# KiCad board OPS-K3572.kicad_pcb (continued)
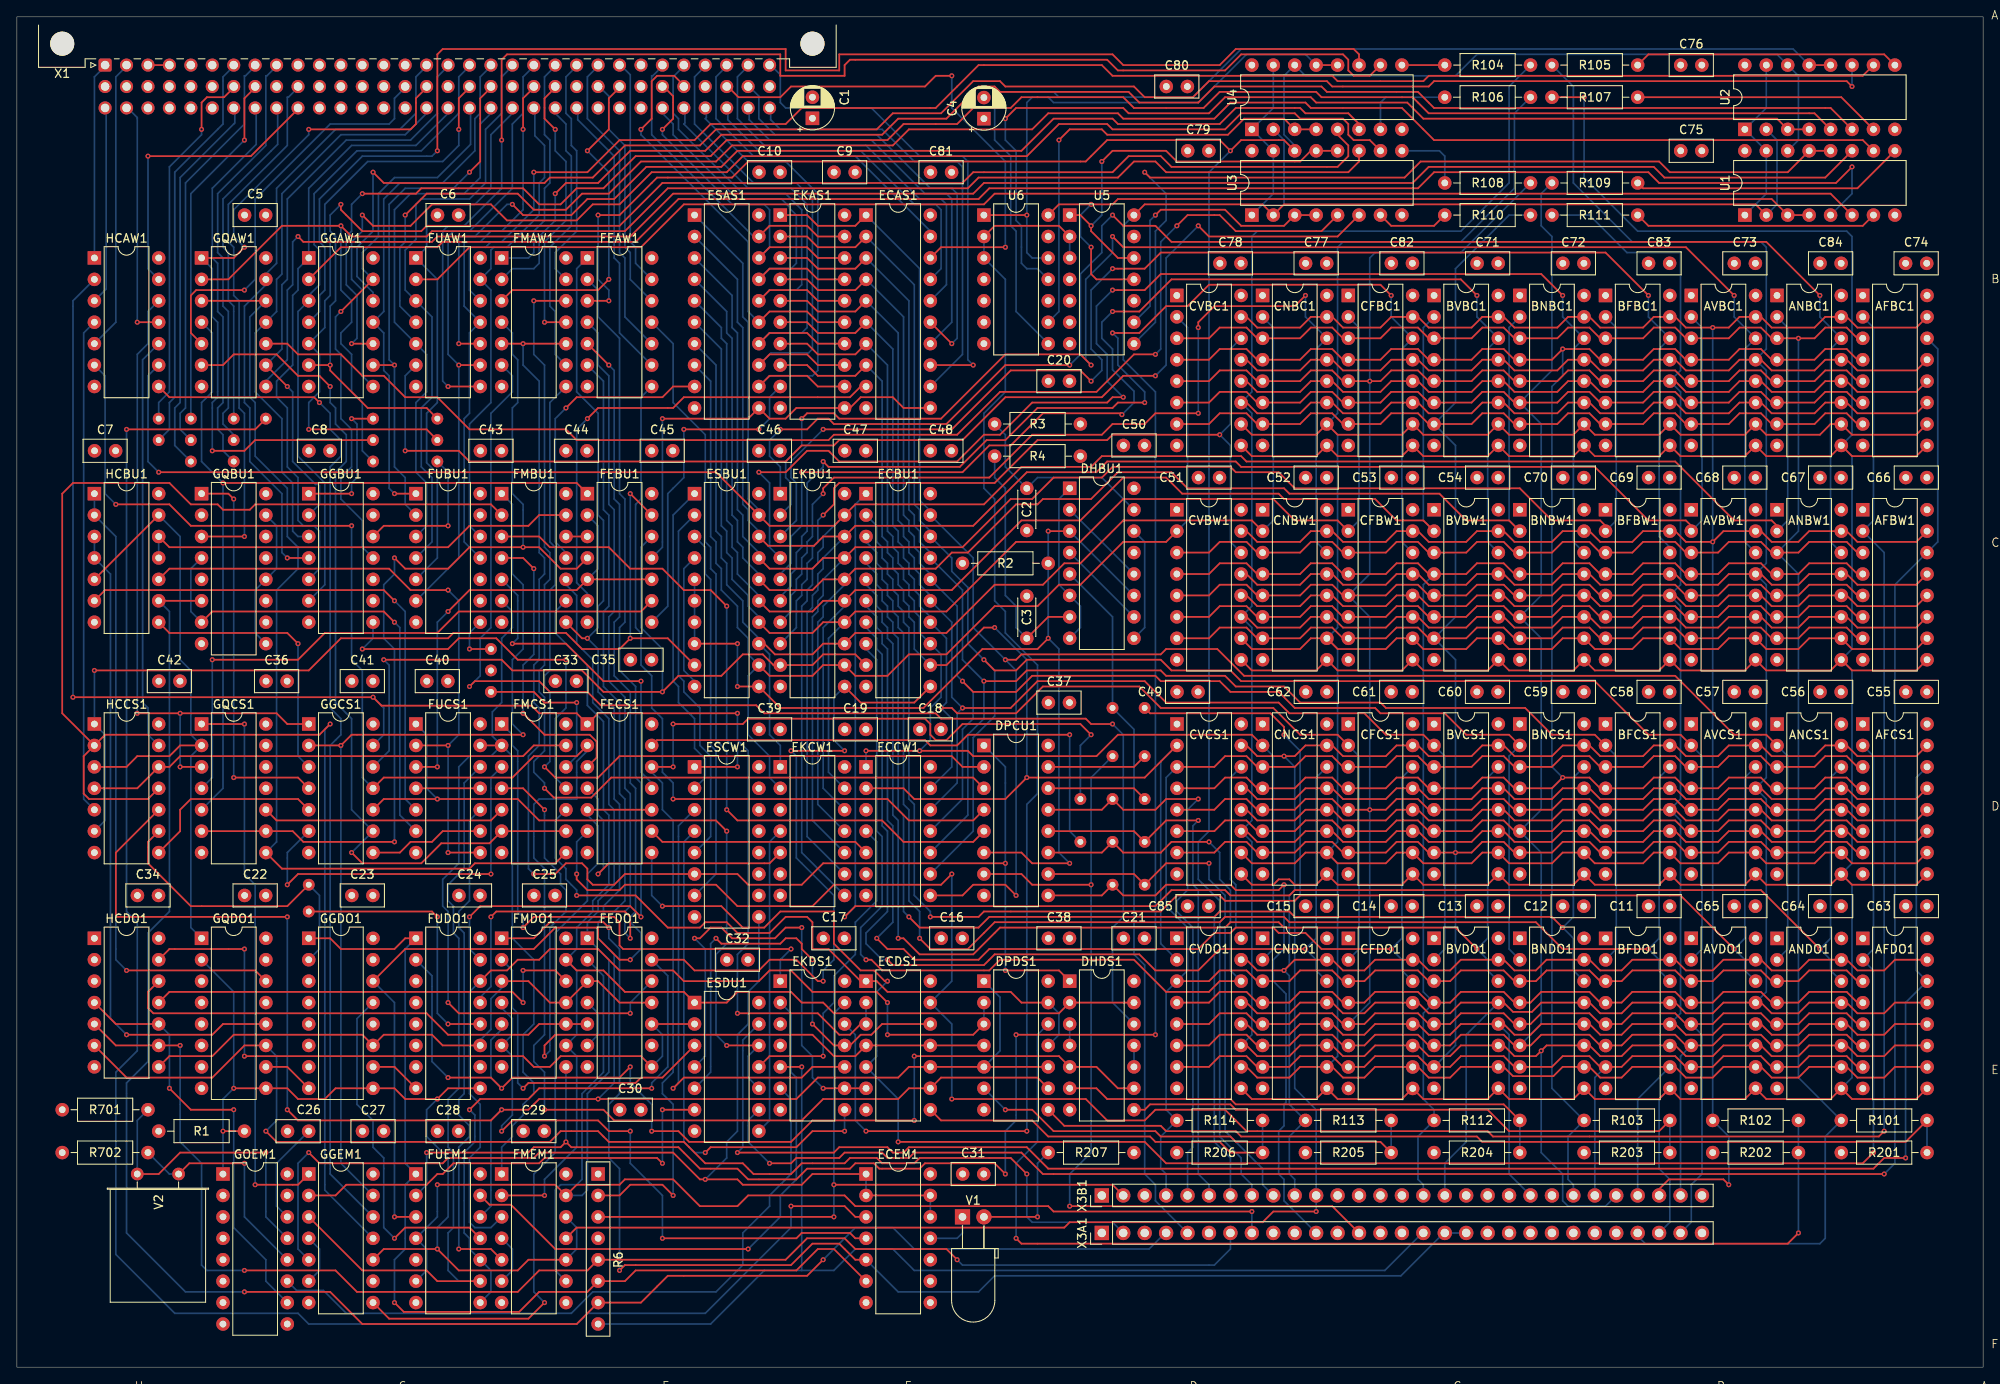
[diagram p0: board, top side]
## Routing (per net, layer and track width the routed paths; a pad name or vN(x,y) marks a point on that pad's centre or on a via; arc(x,y) is an arc through that point) (continued)
  Bottom w0.2: AVDO1.13 207.31,44.48 207.31,67.34 AVCS1.13 207.31,69.88 207.31,92.74 AVBW1.13 207.31,95.28 207.31,118.14 AVBC1.13 207.31,120.68 207.31,132.75 206.67,133.38 191.43,133.38 184.44,140.37 184.44,151.8 R105.2 ; BVDO1.13 171.75,39.4 171.75,26.7 169.2,24.16 X3B1.17
AD8_10: length 530.7
  Top w0.2: AFBC1.9 225.09,107.98 217.46,107.98 ANBC1.9 214.93,107.98 207.31,107.98 AVBC1.9 204.76,107.98 197.14,107.98 BFBC1.9 194.61,107.98 186.99,107.98 BNBC1.9 184.44,107.98 176.82,107.98 BVBC1.9 174.29,107.98 166.67,107.98 CFBC1.9 164.12,107.98 156.5,107.98 CNBC1.9 153.96,107.98 146.35,107.98 CVBC1.9 ; 145.07,58.45 146.35,57.18 148.88,57.18 149.52,57.82 150.79,57.82 151.43,57.18 153.96,57.18 CNCS1.9 156.5,57.18 164.12,57.18 CFCS1.9 166.67,57.18 174.29,57.18 BVCS1.9 176.82,57.18 184.44,57.18 BNCS1.9 186.99,57.18 194.61,57.18 BFCS1.9 197.14,57.18 204.76,57.18 AVCS1.9 207.31,57.18 214.93,57.18 216.19,58.45 217.46,57.18 225.09,57.18 AFCS1.9 ; CVBW1.9 146.35,82.58 153.96,82.58 CNBW1.9 156.5,82.58 164.12,82.58 CFBW1.9 166.67,82.58 174.29,82.58 BVBW1.9 176.82,82.58 184.44,82.58 BNBW1.9 186.99,82.58 194.61,82.58 BFBW1.9 197.14,82.58 204.76,82.58 AVBW1.9 207.31,82.58 214.93,82.58 ANBW1.9 217.46,82.58 225.09,82.58 AFBW1.9 ; v1(185.71,150.53) R107.2 ; 226.36,33.05 225.09,31.78 217.46,31.78 216.19,33.05 214.93,31.78 207.31,31.78 AVDO1.9 204.76,31.78 197.14,31.78 195.88,33.05 194.61,31.78 186.99,31.78 BNDO1.9 184.44,31.78 176.82,31.78 BVDO1.9 174.29,31.78 166.67,31.78 165.39,33.05 164.12,31.78 156.5,31.78 CNDO1.9 153.96,31.78 146.35,31.78 CVDO1.9
  Bottom w0.2: 216.19,33.05 217.46,34.32 217.46,57.18 216.19,58.45 217.46,59.72 217.46,82.58 ANBW1.9 217.46,85.12 217.46,107.98 ANBC1.9 217.46,110.52 217.46,134.02 216.83,134.65 192.06,134.65 185.71,141 v1(185.71,150.53) ; X3A1.27 195.88,17.18 195.88,22.26 194.61,23.53 194.61,31.78 195.88,33.05
ADR0: length 114.9
  Top w0.2: GQCS1.8 31.41,59.09 53.64,59.09 54.27,59.72 63.8,59.72 FMCS1.8 ; GQAW1.3 GQAW1.12
  Bottom w0.2: GQCS1.8 30.77,62.26 30.77,92.11 33.31,94.65 33.31,97.19 32.05,98.46 32.05,104.17 28.23,107.98 28.23,114.33 27.6,114.97 27.6,124.49 GQAW1.12
ADR1: length 176.9
  Top w0.2: U3.11 159.05,142.91 157.77,141.64 136.19,141.64 134.92,142.91 132.38,142.91 130.47,141 113.96,141 112.69,139.73 77.13,139.73 72.05,134.65 49.19,134.65 48.56,134.02 39.67,134.02 v1(38.39,135.29) 31.41,135.29 25.06,128.94 GQAW1.2
  Bottom w0.2: v1(38.39,135.29) 38.39,127.67 39.67,126.4 39.67,123.86 38.39,122.59 38.39,121.32 39.67,120.05 39.67,115.6 40.94,114.33 40.94,108.62 X11.1.1
ADR2: length 151.8
  Top w0.2: GQAW1.10 32.05,121.32 33.31,120.05 38.39,120.05 40.94,117.51 43.48,117.51 46.02,114.97 49.83,114.97 53.64,111.16 65.06,111.16 66.34,109.89 96.18,109.89 96.82,110.52 111.42,110.52 116.5,115.6 127.93,115.6 132.38,120.05 v1(134.92,120.05) ; v1(137.45,135.29) 138.73,136.56 142.54,136.56 144.44,134.65 154.6,134.65 U3.5
  Bottom w0.2: v1(137.45,135.29) 135.55,133.38 135.55,120.68 v1(134.92,120.05)
ADR3: length 209.3
  Top w0.2: v1(33.31,134.02) 33.95,133.38 49.19,133.38 49.83,134.02 72.69,134.02 77.77,139.1 113.33,139.1 114.6,140.37 165.39,140.37 167.3,142.27 193.97,142.27 195.24,141 214.29,141 U1.11
  Bottom w0.2: GQAW1.8 29.51,116.87 32.05,119.41 32.05,127.67 32.68,128.3 32.68,133.38 v1(33.31,134.02)
ADR4: length 196.2
  Top w0.2: GGAW1.2 38.39,132.75 49.83,132.75 50.46,133.38 73.32,133.38 78.4,138.46 113.96,138.46 115.23,139.73 166.03,139.73 167.94,141.64 193.33,141.64 194.61,140.37 215.56,140.37 v1(217.46,142.27)
  Bottom w0.2: v1(217.46,142.27) 217.46,139.1 U1.5
ADR5: length 160.2
  Top w0.2: v1(49.83,144.18) 49.83,155.61 50.46,156.24 91.1,156.24 91.1,153.7 97.45,153.7 97.45,155.61 129.83,155.61 131.11,154.34 142.54,154.34 144.44,156.24 158.41,156.24 159.05,155.61 U4.11
  Bottom w0.2: GGAW1.4 35.86,125.13 35.86,127.03 36.49,127.67 36.49,132.75 35.86,133.38 35.86,138.46 40.94,143.54 49.19,143.54 v1(49.83,144.18)
ADR6: length 167.8
  Top w0.2: X10.1.1 48.56,113.7 41.57,113.7 37.12,118.14 v1(37.12,118.78) GGAW1.6 ; U4.5 156.5,146.08 157.77,144.81 157.77,143.54 156.5,142.27 136.82,142.27 135.55,143.54 131.74,143.54 129.83,141.64 113.33,141.64 112.05,140.37 76.5,140.37 71.42,135.29 48.56,135.29 47.92,134.65 40.94,134.65 38.39,137.19 v1(38.39,137.83)
  Bottom w0.2: v1(38.39,137.83) 37.12,136.56 37.12,134.65 37.76,134.02 37.76,126.4 37.12,125.76 v1(37.12,118.78)
ADR7: length 202.5
  Top w0.2: v1(42.2,141.64) 43.48,140.37 62.53,140.37 63.16,141 68.24,141 72.05,144.81 80.94,144.81 82.84,146.72 101.89,146.72 103.8,148.62 109.52,148.62 113.33,152.43 116.5,152.43 117.14,151.8 132.38,151.8 133.64,150.53 139.36,150.53 141.26,152.43 155.24,152.43 155.87,151.8 167.3,151.8 167.94,152.43 216.83,152.43 v1(217.46,151.8)
  Bottom w0.2: v1(42.2,141.64) 42.2,134.65 40.3,132.75 40.3,129.28 42.2,127.38 GGAW1.12 ; U2.11 v1(217.46,151.8)
ADR8: length 205.4
  Top w0.2: v1(40.94,139.1) 47.28,139.1 47.92,139.73 59.98,139.73 61.89,137.83 64.43,137.83 66.34,139.73 69.51,139.73 73.32,143.54 82.21,143.54 84.11,145.45 103.17,145.45 105.07,147.35 111.42,147.35 113.33,149.26 117.77,149.26 119.04,150.53 131.11,150.53 132.38,149.26 140.63,149.26 142.54,151.16 153.96,151.16 154.6,150.53 165.39,150.53 167.3,148.62 213.02,148.62 U2.5 ; v1(39.67,121.32) GGAW1.10
  Bottom w0.2: v1(39.67,121.32) 40.3,121.95 40.3,127.03 39.03,128.3 39.03,134.02 39.67,134.65 39.67,137.83 v1(40.94,139.1)
ADR9: length 153.3
  Top w0.2: U3.10 160.31,145.45 158.41,145.45 157.77,146.08 157.77,147.35 157.14,147.99 152.06,147.99 151.43,148.62 145.07,148.62 143.17,146.72 129.83,146.72 129.2,147.35 123.48,147.35 119.67,143.54 86.02,143.54 84.11,141.64 75.23,141.64 71.42,137.83 68.24,137.83 66.34,135.92 58.08,135.92 56.17,137.83 49.19,137.83 46.65,135.29 42.2,135.29 v1(40.94,136.56)
  Bottom w0.2: v1(40.94,136.56) 40.94,134.65 39.67,133.38 39.67,128.94 40.94,127.67 40.94,117.51 GGAW1.8
ADR10: length 176.9
  Top w0.2: v1(63.8,139.1) 65.06,140.37 68.88,140.37 72.69,144.18 81.58,144.18 83.48,146.08 102.53,146.08 104.43,147.99 110.15,147.99 113.96,151.8 115.86,151.8 116.5,151.16 131.74,151.16 133.01,149.89 140,149.89 141.9,151.8 154.6,151.8 155.24,151.16 166.03,151.16 167.94,149.26 214.93,149.26 U2.6
  Bottom w0.2: v1(63.8,139.1) 63.8,135.92 61.89,134.02 61.89,130.84 61.25,130.21 58.72,130.21 FMAW1.2
ADR11: length 169.3
  Top w0.2: FMAW1.5 v1(59.98,121.32) FMAW1.10 ; v1(117.14,47.02) 123.48,47.02 DHDS1.1 ; v1(117.14,59.72) 95.55,59.72 93,57.18 86.66,57.18 85.39,58.45 ESCW1.6 72.05,58.45 70.78,57.18 68.24,57.18 67.61,57.82 67.61,59.09 66.97,59.72 65.06,59.72 63.8,58.45 v1(61.25,58.45)
  Bottom w0.2: v1(59.98,121.32) 59.98,118.78 61.89,116.87 61.89,96.55 62.53,95.92 62.53,94.01 61.89,93.38 61.89,83.85 61.25,83.22 61.25,78.77 61.89,78.14 61.89,73.69 60.62,72.42 60.62,59.09 v1(61.25,58.45) ; v1(117.14,47.02) v1(117.14,59.72) 117.14,71.15 DPCU1.1
ADR_0: length 104.6
  Top w0.2: v1(24.43,104.81) 66.34,104.81 FEBU1.1
  Bottom w0.2: GQAW1.4 23.16,122.59 23.16,115.6 21.89,114.33 21.89,107.35 v1(24.43,104.81) 24.43,68.61 GQCS1.5
ADR_11: length 157
  Top w0.2: v1(129.83,76.23) 127.3,76.23 126.66,76.87 109.52,76.87 108.88,77.5 88.56,77.5 87.61,78.45 69.19,78.45 67.61,80.04 63.16,80.04 61.89,81.31 54.27,81.31 v1(53.64,80.68)
  Bottom w0.2: 132.38,40.67 129.83,43.21 129.83,52.1 131.11,53.37 131.11,74.96 v1(129.83,76.23) ; FMAW1.6 58.72,117.51 58.72,115.6 56.17,113.06 56.17,87.66 54.91,86.39 54.91,81.95 v1(53.64,80.68)
ADRA: length 144.8
  Top w0.2: v1(140,135.29) 141.26,134.02 156.5,134.02 U3.6 ; v1(46.02,108.62) 52.36,108.62 53.64,107.35 91.1,107.35 93,109.25 96.82,109.25 97.45,109.89 112.05,109.89 117.14,114.97 128.56,114.97 131.11,117.51 v1(134.92,117.51)
  Bottom w0.2: v1(46.02,108.62) 46.02,117.51 FUAW1.6 ; v1(140,135.29) 136.19,131.48 136.19,118.78 v1(134.92,117.51)
ADRB: length 197.7
  Top w0.2: v1(46.02,136.56) 48.56,139.1 59.35,139.1 61.25,137.19 65.06,137.19 66.97,139.1 70.14,139.1 73.95,142.91 82.84,142.91 84.75,144.81 103.8,144.81 105.7,146.72 120.31,146.72 122.21,148.62 130.47,148.62 131.11,147.99 141.9,147.99 143.81,149.89 152.69,149.89 153.33,149.26 164.12,149.26 167.94,145.45 218.74,145.45 U1.10
  Bottom w0.2: v1(46.02,136.56) 46.02,133.38 45.38,132.75 45.38,125.76 FUAW1.4
ADRC: length 175.4
  Top w0.2: U1.6 214.93,139.1 115.86,139.1 114.6,137.83 79.03,137.83 73.95,132.75 53.64,132.75 49.83,128.94 FUAW1.2
ADRD: length 158.9
  Top w0.2: v1(57.45,145.45) 57.45,154.97 58.08,155.61 90.47,155.61 90.47,153.07 98.08,153.07 98.08,154.34 98.72,154.97 129.2,154.97 130.47,153.7 143.17,153.7 145.07,155.61 157.14,155.61 157.77,154.97 157.77,153.7 158.41,153.07 160.31,153.07 U4.10 ; v1(51.09,116.24) FUAW1.8
  Bottom w0.2: v1(51.09,116.24) 50.46,116.87 50.46,134.65 51.09,135.29 53,135.29 57.45,139.73 v1(57.45,145.45)
ADRE: length 131.2
  Top w0.2: v1(58.72,137.83) 59.98,136.56 65.7,136.56 67.61,138.46 70.78,138.46 74.59,142.27 83.48,142.27 85.39,144.18 119.04,144.18 122.85,147.99 129.83,147.99 130.47,147.35 142.54,147.35 144.44,149.26 152.06,149.26 152.69,148.62 157.77,148.62 159.05,147.35 U4.6 ; v1(52.36,121.32) FUAW1.10
  Bottom w0.2: v1(52.36,121.32) 52.36,134.02 54.27,134.02 58.08,137.83 v1(58.72,137.83)
ADRF: length 186.4
  Top w0.2: v1(61.25,141.64) 67.61,141.64 71.42,145.45 80.31,145.45 82.21,147.35 91.1,147.35 93,149.26 108.88,149.26 113.96,154.34 128.56,154.34 129.83,153.07 155.87,153.07 156.5,152.43 166.67,152.43 167.3,153.07 218.74,153.07 U2.10
  Bottom w0.2: v1(61.25,141.64) 61.25,137.19 57.45,133.38 56.17,133.38 55.54,132.75 53.64,132.75 53.64,127.67 FUAW1.12
AS2: length 68.5
  Top w0.2: DPCU1.13 128.56,66.07 X8.3.1 131.11,66.07 134.92,66.07 136.19,67.34 v1(140,67.34)
  Bottom w0.2: X3B1.5 138.73,25.43 139.36,26.07 139.36,52.1 137.45,54.01 137.45,55.28 138.73,56.55 138.73,66.07 v1(140,67.34)
AS3: length 64.9
  Top w0.2: DPCU1.12 132.38,63.53 X8.4.1 136.19,64.8 v1(140,64.8)
  Bottom w0.2: X3B1.6 141.26,21.62 140,22.89 140,56.55 139.36,57.18 139.36,64.17 v1(140,64.8)
AS4: length 66.2
  Top w0.2: v1(141.26,62.26) 136.82,62.26 135.55,60.99 131.11,60.99 X8.5.1 128.56,60.99 DPCU1.11
  Bottom w0.2: v1(141.26,62.26) 142.54,60.99 142.54,57.82 143.81,56.55 143.81,52.74 143.17,52.1 143.17,27.97 147.62,23.53 147.62,21.62 X3B1.9
AS5: length 62.6
  Top w0.2: v1(141.26,59.72) 136.19,59.72 X8.6.1 132.38,58.45 DPCU1.10
  Bottom w0.2: v1(141.26,59.72) 141.26,57.82 143.17,55.91 143.17,53.37 142.54,52.74 142.54,27.34 145.07,24.8 145.07,22.89 146.35,21.62 X3B1.8
AS6: length 74.7
  Top w0.2: DPCU1.9 128.56,55.91 X8.7.1 131.11,55.91 134.92,55.91 136.19,57.18 143.81,57.18 144.44,56.55 149.52,56.55 v1(150.16,57.18)
  Bottom w0.2: X3A1.11 150.16,19.72 150.16,22.26 149.52,22.89 149.52,27.97 150.16,28.61 150.16,31.15 150.39,31.38 150.39,44.25 148.88,45.75 148.88,48.29 150.16,49.56 v1(150.16,57.18)
AS7: length 104.3
  Top w0.2: v1(127.3,57.18) 120.31,57.18 119.04,58.45 DPCU1.7 ; v1(124.76,19.08) 155.87,19.08 X3A1.13
  Bottom w0.2: v1(124.76,19.08) 124.76,22.89 127.3,25.43 v1(127.3,57.18) 127.3,69.88 X8.8.1
B: length 133.7
  Top w0.2: FUDO1.8 44.75,35.59 GGDO1.10 ; GGDO1.8 32.05,35.59 GQDO1.10
  Bottom w0.2: DHBU1.8 126.02,87.66 126.02,90.2 DHBU1.6 123.48,92.74 123.48,102.9 DHBU1.1 ; ESBU1.10 80.31,81.31 79.03,82.58 79.03,94.65 ESBU1.4 ; GQBU1.9 28.23,87.03 28.23,92.11 GQBU1.12 30.77,94.65 30.77,99.73 GQBU1.15 ; U4.15 148.88,149.26 U4.1 U3.15 148.88,139.1 U3.1 ; U1.1 207.31,139.1 U1.15 U2.1 207.31,149.26 U2.15 ; GOEM1.14 30.77,19.08 30.77,24.16 34.59,27.97 ; DHBU1.9 133.64,87.66 133.64,97.82 DHBU1.14
D0: length 329.5
  Top w0.2: v1(16.8,106.08) 82.84,106.08 ESBU1.19 89.2,99.73 96.82,99.73 EKBU1.19 99.36,102.27 114.6,102.27 119.04,106.71 127.3,106.71 128.56,107.98 145.07,107.98 145.71,107.35 196.51,107.35 203.5,100.36 207.94,100.36 208.57,99.73
  Bottom w0.2: EKCW1.8 93,60.99 93,90.2 93.64,90.84 93.64,92.11 94.28,92.74 94.28,94.65 94.91,95.28 94.91,96.55 95.55,97.19 95.55,98.46 EKBU1.19 ; HCAW1.9 15.54,117.51 15.54,107.35 v1(16.8,106.08) ; ANBC1.2 209.85,123.22 209.85,100.36 ANBW1.2 ; ESAS1.1 86.02,130.84 86.02,124.49 86.66,123.86 86.66,102.9 87.92,101.63 ESBU1.19
D1: length 227.1
  Top w0.2: 198.42,99.73 197.78,100.36 193.33,100.36 186.99,106.71 145.07,106.71 144.44,107.35 129.2,107.35 127.93,106.08 119.67,106.08 113.33,99.73 99.36,99.73 EKBU1.18 95.55,98.46 94.45,97.36 89.03,97.36 ESBU1.18
  Bottom w0.2: ESBU1.18 87.92,99.09 86.66,100.36 86.66,101.63 86.02,102.27 86.02,123.22 85.39,123.86 85.39,128.94 ESAS1.2 ; EKBU1.18 95.55,95.92 95.55,94.65 94.91,94.01 94.91,92.11 94.28,91.47 94.28,90.04 93.64,89.41 93.64,62.9 EKCW1.9 ; AVBW1.2 199.69,100.36 199.69,123.22 AVBC1.2
D2: length 212
  Top w0.2: ESBU1.17 89.2,94.65 94.28,94.65 95.55,95.92 EKBU1.17 99.36,97.19 112.05,97.19 117.77,102.9 120.31,102.9 122.85,105.44 128.56,105.44 129.83,106.71 143.81,106.71 144.44,106.08 149.52,106.08 151.43,104.17 178.1,104.17 181.91,100.36 187.62,100.36 188.25,99.73
  Bottom w0.2: ESAS1.3 84.75,127.03 84.75,123.22 85.39,122.59 85.39,101.63 86.02,101 86.02,98.46 87.92,96.55 ESBU1.17 ; BFBW1.2 189.52,100.36 189.52,123.22 BFBC1.2 ; EKBU1.17 95.55,93.38 95.55,91.47 94.91,90.84 94.91,89.57 94.28,88.93 94.28,64.8 EKCW1.10
D3: length 197
  Top w0.2: ESBU1.16 89.2,92.11 94.28,92.11 95.55,93.38 EKBU1.16 99.36,94.65 108.88,94.65 110.79,96.55 112.69,96.55 118.41,102.27 120.95,102.27 121.58,102.9 127.3,102.9 130.47,106.08 136.82,106.08 138.73,104.17 150.16,104.17 150.79,103.54 168.57,103.54 171.75,100.36 176.82,100.36 BNBW1.2
  Bottom w0.2: BNBW1.2 176.82,100.36 176.82,123.22 BNBC1.2 ; ESAS1.4 84.11,125.13 84.11,122.59 84.75,121.95 84.75,101 85.39,100.36 85.39,97.82 86.02,97.19 86.02,95.92 87.92,94.01 ESBU1.16 ; EKBU1.16 98.08,92.74 95.55,90.2 95.55,88.93 94.91,88.3 94.91,66.71 EKCW1.11
D4: length 181.8
  Top w0.2: ESBU1.15 89.2,89.57 94.28,89.57 95.55,90.84 EKBU1.15 99.36,92.11 110.79,92.11 119.04,100.36 126.02,100.36 131.11,105.44 136.19,105.44 138.09,103.54 149.52,103.54 150.16,102.9 160.95,102.9 163.49,100.36 166.67,100.36 BVBW1.2
  Bottom w0.2: BVBC1.2 166.67,123.22 166.67,100.36 BVBW1.2 ; EKCW1.12 95.55,68.61 95.55,87.66 98.08,90.2 EKBU1.15 ; ESAS1.5 83.48,123.22 83.48,121.95 84.11,121.32 84.11,100.36 84.75,99.73 84.75,97.19 85.39,96.55 85.39,94.01 87.92,91.47 ESBU1.15
D5: length 165
  Top w0.2: ESBU1.14 89.2,87.03 94.28,87.03 95.55,88.3 EKBU1.14 99.36,89.57 110.15,89.57 118.41,97.82 126.02,97.82 131.11,102.9 148.88,102.9 151.43,100.36 156.5,100.36 CFBW1.2
  Bottom w0.2: CFBW1.2 159.05,100.36 159.05,123.22 CFBC1.2 ; ESAS1.6 83.48,120.68 83.48,99.73 84.11,99.09 84.11,96.55 84.75,95.92 84.75,93.38 86.66,91.47 86.66,90.2 87.92,88.93 ESBU1.14 ; EKBU1.14 96.18,86.39 96.18,70.52 EKCW1.13
D6: length 148.1
  Top w0.2: ESBU1.13 88.56,85.76 89.83,84.49 94.28,84.49 95.55,85.76 EKBU1.13 99.36,87.03 110.15,87.03 115.86,92.74 121.58,92.74 124.12,95.28 126.02,95.28 131.11,100.36 146.35,100.36 CNBW1.2
  Bottom w0.2: CNBC1.2 148.88,123.22 148.88,100.36 CNBW1.2 ; ESAS1.7 82.84,118.78 82.84,99.09 83.48,98.46 83.48,95.92 84.11,95.28 84.11,92.74 86.02,90.84 86.02,88.3 87.92,86.39 ESBU1.13 89.2,84.49 89.2,74.96 90.47,73.69 EKCW1.1
D7: length 140.1
  Top w0.2: ESBU1.12 89.2,81.95 94.28,81.95 95.55,83.22 EKBU1.12 99.36,81.95 103.17,81.95 105.7,84.49 110.15,84.49 115.86,90.2 120.95,90.2 123.48,92.74 126.02,92.74 131.11,97.82 136.19,97.82 CVBW1.2
  Bottom w0.2: EKCW1.2 89.2,69.88 89.2,72.42 86.66,74.96 86.66,81.95 ESBU1.12 86.66,84.49 86.66,86.39 85.39,87.66 85.39,90.2 83.48,92.11 83.48,94.65 82.84,95.28 82.84,97.82 82.21,98.46 82.21,116.87 ESAS1.8 ; CVBW1.2 138.73,100.36 138.73,123.22 CVBC1.2
D8: length 233.6
  Top w0.2: ECCW1.8 112.05,55.91 113.33,57.18 117.14,57.18 v1(118.41,55.91) ; EKAS1.1 93.64,136.56 94.91,135.29 99.36,135.29 ECAS1.1 ; 208.57,73.69 207.31,74.96 203.5,74.96 196.51,81.95 145.42,81.95 142.25,85.12 136.19,85.12 135.55,84.49 119.04,84.49 118.41,83.85 v1(117.14,83.85)
  Bottom w0.2: ECAS1.1 106.98,130.21 106.98,102.76 108.24,101.49 ECBU1.19 113.33,95.92 113.33,87.66 v1(117.14,83.85) 118.41,82.58 v1(118.41,55.91) ; 208.57,73.69 209.85,72.42 209.85,49.56 208.57,48.29
D9: length 211.8
  Top w0.2: 198.42,73.69 197.14,74.96 193.33,74.96 186.99,81.31 145.07,81.31 143.81,82.58 136.82,82.58 135.55,83.85 119.67,83.85 118.41,82.58 115.86,82.58 v1(114.6,83.85) ; ECAS1.2 99.36,132.75 94.91,132.75 93.64,134.02 EKAS1.2
  Bottom w0.2: ECAS1.2 106.34,128.3 106.34,102.27 106.98,101.63 106.98,100.36 108.24,99.09 ECBU1.18 110.79,95.92 110.79,94.33 112.69,92.42 112.69,85.76 v1(114.6,83.85) 115.86,82.58 115.86,77.16 113.33,74.62 113.33,63.53 ECCW1.9 ; AVDO1.2 199.69,49.56 199.69,72.42 198.42,73.69
D10: length 194.4
  Top w0.2: 188.25,73.69 186.99,74.96 181.91,74.96 178.73,78.14 162.22,78.14 161.58,78.77 152.06,78.77 150.16,80.68 144.44,80.68 143.17,81.95 136.19,81.95 135.55,82.58 119.67,82.58 118.41,81.31 v1(114.6,81.31) ; ECAS1.3 99.36,130.21 94.91,130.21 93.64,131.48 EKAS1.3
  Bottom w0.2: 188.25,48.29 189.52,49.56 189.52,72.42 188.25,73.69 ; ECAS1.3 105.7,126.4 105.7,101.63 106.34,101 106.34,99.73 106.98,99.09 106.98,97.82 108.24,96.55 ECBU1.17 112.05,92.11 112.05,83.85 v1(114.6,81.31) 114.6,76.87 112.69,74.96 112.69,65.44 ECCW1.10
D11: length 181.2
  Top w0.2: 178.1,73.69 176.82,74.96 171.75,74.96 169.2,77.5 161.58,77.5 160.95,78.14 151.43,78.14 149.52,80.04 143.81,80.04 142.54,81.31 135.55,81.31 134.92,81.95 120.31,81.95 118.41,80.04 113.33,80.04 v1(112.05,81.31) ; EKAS1.4 93.64,128.94 94.91,127.67 99.36,127.67 ECAS1.4
  Bottom w0.2: 178.1,73.69 176.82,72.42 176.82,49.56 BNDO1.2 ; ECAS1.4 105.07,124.49 105.07,101 105.7,100.36 105.7,99.09 106.34,98.46 106.34,97.19 106.98,96.55 106.98,95.28 108.24,94.01 ECBU1.16 111.42,90.2 111.42,81.95 v1(112.05,81.31) 113.33,80.04 113.33,76.87 112.05,75.6 112.05,67.34 ECCW1.11
D12: length 164.7
  Top w0.2: ECAS1.5 99.36,125.13 94.91,125.13 93.64,126.4 EKAS1.5 ; 167.94,73.69 166.67,74.96 162.22,74.96 159.68,77.5 150.79,77.5 149.52,78.77 136.19,78.77 133.64,81.31 120.95,81.31 117.77,78.14 v1(112.05,78.14)
  Bottom w0.2: BVDO1.2 169.2,49.56 169.2,72.42 167.94,73.69 ; ECCW1.12 111.42,69.25 111.42,77.5 v1(112.05,78.14) 110.79,79.41 110.79,88.3 ECBU1.15 108.24,91.47 106.98,92.74 106.98,94.01 106.34,94.65 106.34,95.92 105.7,96.55 105.7,97.82 105.07,98.46 105.07,99.73 104.43,100.36 104.43,122.59 ECAS1.5
D13: length 151.4
  Top w0.2: v1(109.52,78.14) 110.79,78.14 111.42,77.5 118.41,77.5 121.58,80.68 133.01,80.68 135.55,78.14 148.88,78.14 152.06,74.96 156.5,74.96 157.77,73.69 ; EKAS1.6 93.64,123.86 94.91,122.59 99.36,122.59 ECAS1.6
  Bottom w0.2: 157.77,73.69 159.05,72.42 159.05,49.56 157.77,48.29 ; ECCW1.13 110.79,71.15 110.79,76.87 v1(109.52,78.14) 110.15,78.77 110.15,86.39 ECBU1.14 108.24,88.93 106.98,90.2 106.98,91.47 106.34,92.11 106.34,93.38 105.7,94.01 105.7,95.28 105.07,95.92 105.07,97.19 104.43,97.82 104.43,99.09 103.8,99.73 103.8,120.68 ECAS1.6
D14: length 141.4
  Top w0.2: v1(100.63,73.06) v1(106.98,73.06) 112.69,73.06 113.33,72.42 127.93,72.42 130.47,74.96 146.35,74.96 147.62,73.69 ; ECAS1.7 99.36,120.05 94.91,120.05 93.64,121.32 EKAS1.7
  Bottom w0.2: 147.62,73.69 148.88,72.42 148.88,49.56 CNDO1.2 ; v1(106.98,73.06) 108.24,74.33 108.24,78.14 109.52,79.41 109.52,84.49 ECBU1.13 106.98,87.03 106.98,88.93 106.34,89.57 106.34,90.84 105.7,91.47 105.7,92.74 105.07,93.38 105.07,94.65 104.43,95.28 104.43,96.55 103.8,97.19 103.8,98.46 103.17,99.09 103.17,118.78 ECAS1.7 ; ECCW1.1 v1(100.63,73.06)
D15: length 145.7
  Top w0.2: EKAS1.8 93.64,118.78 94.91,117.51 99.36,117.51 ECAS1.8 ; ECCW1.2 105.07,68.61 106.34,67.34 117.14,67.34 v1(119.67,69.88) 133.64,69.88 137.45,73.69 ; v1(115.86,87.66) 114.6,87.66 110.15,83.22 ECBU1.12
  Bottom w0.2: v1(115.86,87.66) 119.67,83.85 v1(119.67,69.88) ; ECBU1.12 106.34,85.12 106.34,88.3 105.7,88.93 105.7,90.2 105.07,90.84 105.07,92.11 104.43,92.74 104.43,94.01 103.8,94.65 103.8,95.92 103.17,96.55 103.17,97.82 102.53,98.46 102.53,116.87 ECAS1.8 ; CVDO1.2 135.55,50.2 135.55,71.79 137.45,73.69
D16: length 295.2
  Top w0.2: v1(66.34,58.45) 66.34,57.82 67.61,56.55 71.42,56.55 72.05,57.18 82.84,57.18 85.39,54.64 94.28,54.64 96.82,57.18 109.52,57.18 v1(110.79,58.45) ; v1(110.79,31.78) 126.66,31.78 129.2,29.24 133.64,29.24 134.92,30.51 143.17,30.51 145.71,27.97 174.29,27.97 174.92,27.34 220.64,27.34 v1(221.27,27.97)
  Bottom w0.2: v1(110.79,31.78) 110.79,40.67 ECDS1.13 110.79,45.75 v1(110.79,58.45) ; AFBC1.2 220,123.22 220,100.36 AFBW1.2 221.27,96.55 v1(221.27,27.97) ; FECS1.6 66.34,62.26 v1(66.34,58.45)
D17: length 229.7
  Top w0.2: v1(104.43,26.7) 133.64,26.7 136.19,24.16 218.74,24.16 v1(220,25.43) ; v1(76.5,54.64) 83.48,54.64 86.02,52.1 88.56,52.1 90.47,54.01 96.82,54.01 96.82,50.2 99.99,47.02 101.58,47.02 102.85,45.75 v1(103.17,45.75)
  Bottom w0.2: v1(76.5,54.64) 75.23,55.91 FECS1.8 ; 218.74,73.69 220,72.42 220,49.56 218.74,48.29 220,47.02 v1(220,25.43) ; v1(103.17,45.75) 101.89,44.48 101.89,36.86 ECDS1.5 104.43,31.78 v1(104.43,26.7)
DR0: length 186.9
  Top w0.2: v1(129.83,136.56) 131.11,135.29 134.92,135.29 136.82,133.38 207.31,133.38 v1(213.66,127.03) ; v1(90.47,111.16) 93.64,111.16 94.91,112.43 96.18,112.43 96.82,111.79 110.15,111.79 117.14,118.78 v1(124.76,118.78)
  Bottom w0.2: ANBW1.14 214.93,97.82 214.93,120.68 ANBC1.14 213.66,124.49 v1(213.66,127.03) ; v1(90.47,111.16) 89.2,109.89 89.2,107.98 90.47,106.71 EKBU1.1 ; v1(129.83,136.56) 128.56,135.29 128.56,132.11 126.02,129.57 126.02,120.05 v1(124.76,118.78)
DR1: length 177.5
  Top w0.2: v1(129.83,134.02) 131.11,132.75 197.78,132.75 v1(203.5,127.03) ; v1(93,112.43) 93.64,113.06 96.82,113.06 97.45,112.43 109.52,112.43 117.14,120.05 126.02,120.05 v1(127.3,118.78)
  Bottom w0.2: v1(127.3,118.78) 126.66,119.41 126.66,128.94 129.83,132.11 v1(129.83,134.02) ; EKBU1.2 91.73,102.27 91.73,104.81 91.1,105.44 91.1,107.35 93,109.25 v1(93,112.43) ; AVBW1.14 204.76,97.82 204.76,120.68 AVBC1.14 203.5,124.49 v1(203.5,127.03)
DR2: length 164.3
  Top w0.2: v1(193.33,127.03) 188.25,132.11 135.55,132.11 133.64,130.21 v1(129.83,130.21) ; v1(95.55,111.16) 110.79,111.16 117.77,118.14 126.02,118.14 v1(127.3,116.87)
  Bottom w0.2: v1(127.3,116.87) 128.56,118.14 128.56,119.41 127.3,120.68 127.3,127.67 v1(129.83,130.21) ; 195.88,97.19 194.61,98.46 194.61,120.68 BFBC1.14 193.33,124.49 v1(193.33,127.03) ; v1(95.55,111.16) 91.73,107.35 91.73,105.44 92.37,104.81 92.37,100.36 EKBU1.3
DR3: length 161.7
  Top w0.2: v1(183.18,127.03) 180.63,129.57 135.55,129.57 133.64,127.67 v1(129.83,127.67) ; v1(87.92,106.08) 91.1,106.08 93.64,108.62 96.18,108.62 97.45,107.35 111.42,107.35 114.6,110.52 116.5,110.52 120.31,114.33 129.2,114.33 129.83,114.97 v1(131.11,114.97)
  Bottom w0.2: v1(129.83,127.67) 127.93,125.76 127.93,121.32 129.2,120.05 129.2,116.87 v1(131.11,114.97) ; v1(87.92,106.08) 89.2,104.81 89.2,97.19 EKBU1.4 ; BNBW1.14 184.44,97.82 184.44,120.68 BNBC1.14 183.18,124.49 v1(183.18,127.03)
DR4: length 147.7
  Top w0.2: v1(93,106.08) 112.05,106.08 115.23,109.25 117.77,109.25 121.58,113.06 130.79,113.06 v1(130.95,112.9) ; v1(173.01,127.03) 171.11,128.94 136.82,128.94 133.01,125.13 v1(129.83,125.13)
  Bottom w0.2: v1(93,106.08) 93,99.73 91.73,98.46 91.73,95.28 90.47,94.01 EKBU1.5 ; v1(130.95,112.9) 132.38,114.33 132.38,115.68 129.83,118.22 129.83,120.68 128.56,121.95 128.56,123.86 v1(129.83,125.13) ; v1(173.01,127.03) 173.01,124.49 BVBC1.14 174.29,120.68 174.29,97.82 BVBW1.14
DR5: length 139.1
  Top w0.2: v1(95.55,107.35) 96.18,106.71 111.74,106.71 114.91,109.89 117.14,109.89 120.95,113.7 129.83,113.7 130.47,114.33 v1(133.64,114.33) ; v1(162.86,127.03) 161.58,128.3 141.26,128.3 138.73,125.76 136.19,125.76 133.01,122.59 v1(129.83,122.59)
  Bottom w0.2: CFBW1.14 164.12,97.82 164.12,120.68 CFBC1.14 162.86,124.49 v1(162.86,127.03) ; v1(129.83,122.59) 130.47,121.95 130.47,118.78 133.64,115.6 v1(133.64,114.33) ; v1(95.55,107.35) 95.55,106.71 93.64,104.81 93.64,99.09 93,98.46 93,97.19 92.37,96.55 92.37,94.65 91.73,94.01 91.73,92.6 90.47,91.33 EKBU1.6 90.47,91.47
DR6: length 123.5
  Top w0.2: v1(152.69,127.03) 151.43,125.76 141.9,125.76 140,123.86 v1(140,123.22) ; v1(95.55,103.54) 95.55,104.17 96.82,105.44 115.23,105.44 120.31,110.52 128.56,110.52 129.83,111.79 133.64,111.79 134.92,113.06 v1(140,113.06)
  Bottom w0.2: EKBU1.7 91.73,89.57 91.73,91.47 92.37,92.11 92.37,93.38 93,94.01 93,95.92 93.64,96.55 93.64,97.82 94.28,98.46 94.28,102.27 v1(95.55,103.54) ; CNBW1.14 153.96,97.82 153.96,120.68 CNBC1.14 152.69,124.49 v1(152.69,127.03) ; v1(140,123.22) v1(140,113.06)
DR7: length 96.9
  Top w0.2: v1(95.55,101) 96.82,102.27 96.82,104.17 97.45,104.81 115.86,104.81 120.95,109.89 129.2,109.89 129.83,110.52 v1(142.54,110.52)
  Bottom w0.2: CVBC1.14 143.81,120.68 143.81,111.79 v1(142.54,110.52) 143.81,109.25 143.81,97.82 CVBW1.14 ; v1(95.55,101) 94.91,100.36 94.91,97.82 94.28,97.19 94.28,95.92 93.64,95.28 93.64,93.38 93,92.74 93,91.47 92.37,90.84 92.37,87.66 EKBU1.8
DR8: length 199
  Top w0.2: v1(213.66,49.56) 206.67,56.55 151.43,56.55 150.79,55.91 143.81,55.91 143.17,56.55 136.82,56.55 134.92,54.64 99.36,54.64 v1(98.08,53.37)
  Bottom w0.2: ECBU1.1 99.36,102.27 99.36,54.64 v1(98.08,53.37) ; 216.19,45.75 214.93,47.02 214.93,48.29 v1(213.66,49.56) 214.93,50.83 214.93,69.88 216.19,71.15
